# Altium PCB PCB1.PcbDoc (continued)
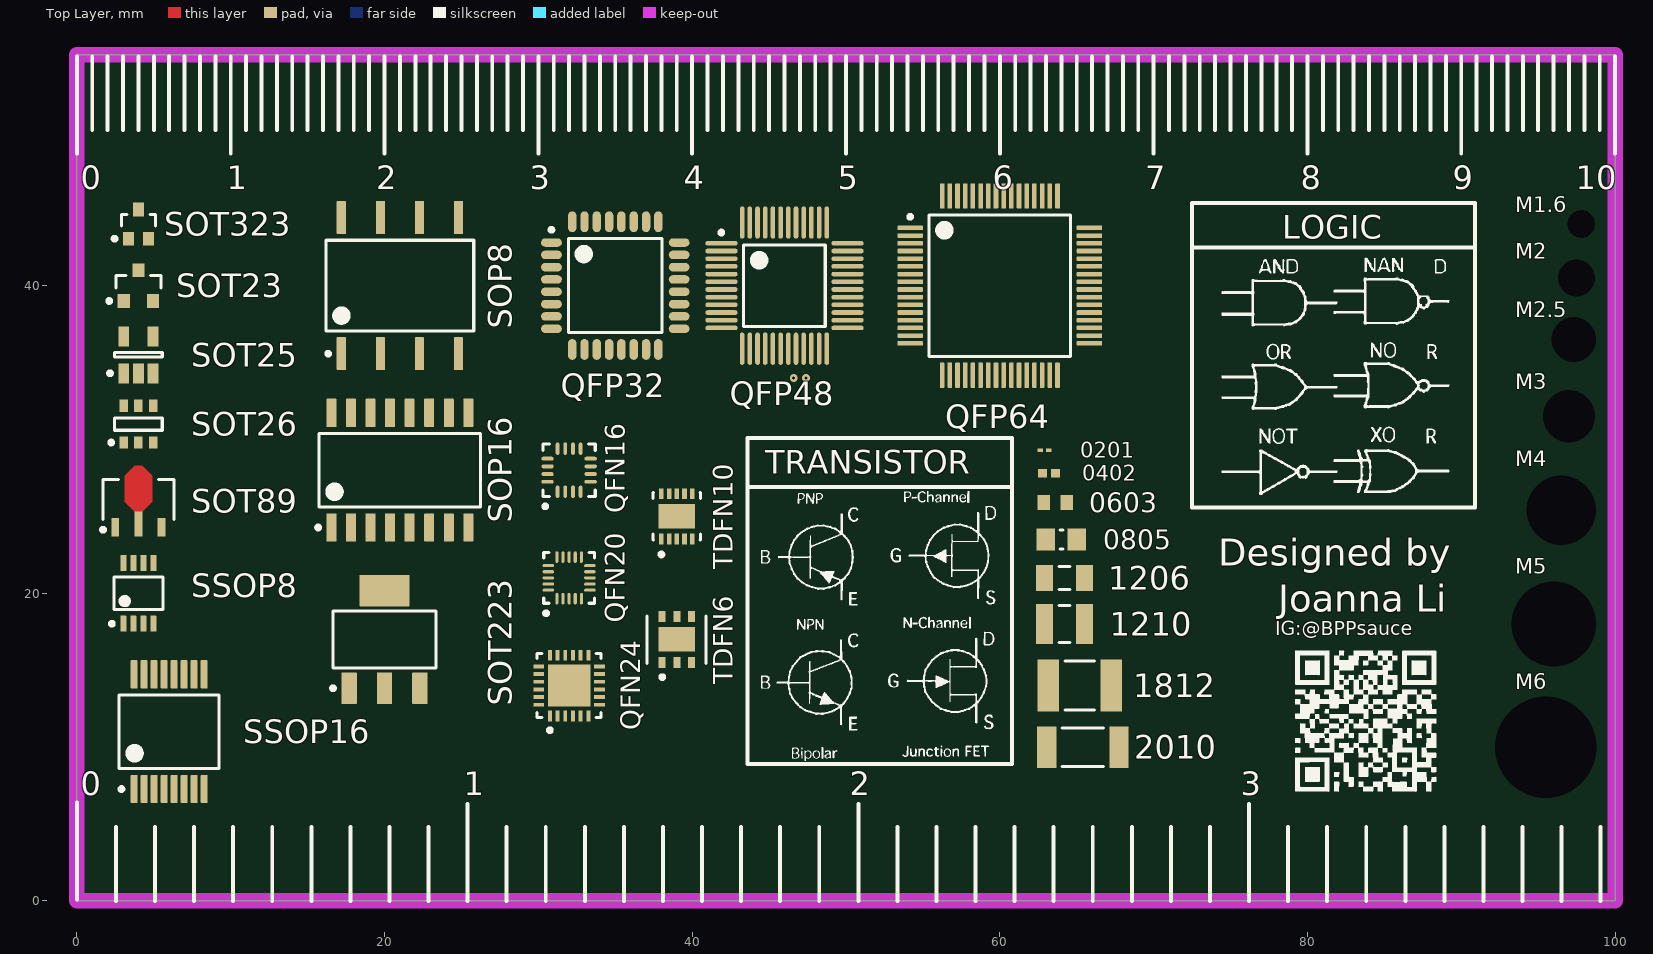
[diagram p0: Top Layer view]
## Part data (continued)
DDPAK3: library part CMP-0136-00060-1, "1.5A, Low Voltage, Low Quiescent Current LDO Regulator, 3-Pin DDPAK, Extended Temperature", DatasheetVersion="revC, Feb-2007", PackageDescription="3-Lead Plastic (EB) [DDPAK]", PackageReference=DDPAK-EB3, PackageVersion="revBB, Aug-2009"
DDPAK5: library part CMP-0136-00037-1, "1.5A, Low Voltage, Low Quiescent Current LDO Regulator, 5-Pin DDPAK, Extended Temperature", DatasheetVersion="revC, Feb-2007", PackageDescription="5-Lead Plastic (ET) [DDPAK]", PackageReference=DDPAK-ET5, PackageVersion="revBB, Aug-2009"
QFN16: library part CMP-0374-00015-2, "Four Button CapSense Controller, 4 CapSense IO, 1.71 to 5.50 V, 16-Pin QFN (LKX16)", Manufacturer=Cypress, Max. Operating Temp. (Â°C)=85, Max. Operating Voltage (V)=5.5, Min. Operating Temp. (Â°C)=-40, Min. Operating Voltage (V)=1.71, Rating=I, Code_JEDEC=MO-220, Comm. Interface=GPO, ComponentLink1Description="Manufacturer URL", ComponentLink1URL=http://www.cypress.com/, ComponentLink2Description=Datasheet, ComponentLink2URL=http://www.cypress.com/?docID=45011, ComponentLink3Description="Package Specification", ComponentLink3URL=http://www.cypress.com/?docID=39689, ComponentLink4Description="Product URL", ComponentLink4URL=http://www.cypress.com/?rID=45569, DatasheetVersion="Rev. *G", Mounting Technology="Surface Mount", No. of CapSense IO=4, No. of GPIOs=4, PackageDescription="16-Pin Chip on Lead Sawn QFN, Body 3 X 3 mm, Pitch 0.5 mm", PackageReference=LKX16, PackageVersion=*E, Packing=Tray, PartNumber=CY8CMBR2044-24LKXI, Proximity Sensing=N, PWMs=N, RoHS=Pb-Free, SmartSense Enabled=Y
QFN20: library part CMP-1750-00004-1, "Proximity Capacitive Touch Sensor Controller, 1.71 to 3.6 V, -40 to 85 degC, 20-Pin QFN, RoHS, Tape and Reel", Colour=Black, Current Rating="2 A", Max Operating Temperature=105degC, Min Operating Temperature=-65degC, Package Quantity=22, Voltage Rating="750 V", ComponentLink1Description="Manufacturer URL", ComponentLink1URL=http://www.nxp.com/, ComponentLink2Description=Datasheet, ComponentLink2URL=http://www.nxp.com/files/sensors/doc/data_sheet/MPR121.pdf, Contact Finish=Gold, Contact Material=Bronze, Contact Plating=Gold, DatasheetVersion="Rev. 4, 02/2013", Height="8.64 mm", Lead Pitch="2.54 mm", Length="25.4 mm", Mount="Through Hole", PackageDescription="20-Pin Quad Flat No-lead Package, Body 3 x 3 mm, Pitch 0.4 mm", PackageReference=QFN-20, Packaging=Rail/Tube, Pins=10, Radiation Hardening=No, RoHSCompliant=True, Width="3.56 mm"
QFN24: library part CMP-0511-00004-2, "IC SGL USB-TO-UART BRIDGE 24QFN", Case/Package=QFN, Max Operating Temperature=85°C, Max Supply Voltage=3.6V, Min Operating Temperature=-40°C, Min Supply Voltage=3V, Operating Supply Current=17mA, Operating Supply Voltage=3.3V, Contact Plating=Tin, Data Rate=2Mbps, Number of Channels=1, Number of Pins=24, Number of Transceivers=1, Packaging=Rail/Tube, Radiation Hardening=No, Weight=0.001764oz
QFP32: library part CMP-0230-00164-1, "Mixed Signal 32KB Flash ISP MCU, 2304B RAM, 25 I/Os, 12-Bit 25 Channel ADC, CAN 2.0, LIN 2.1, 32-Pin QFP, Industrial Grade", ComponentLink1Description="Manufacturer Link", ComponentLink1URL=http://www.silabs.com, ComponentLink2Description=Datasheet, ComponentLink2URL=http://www.silabs.com/Support%20Documents/TechnicalDocs/C8051F55x-F56x-F57x.pdf, DatasheetVersion="rev1.1, 2011", PackageDescription="32-Pin Thin Quad Flat Pack, 7 x 7 x 1.4 mm Body, 0.8 mm Pitch", PackageReference=LQFP-32, PackageVersion=2007
QFP48: library part CMP-0230-00134-1, "Mixed Signal 64KB ISP Flash MCU, 4352B RAM, 40 I/Os, 12-Bit 32 Channel ADC, Can 2.0B, LIN 2.0, Ext Mem, 48-Pin QFP, Industrial Grade", Code_JEDEC=MS-026-ABC, ComponentLink1Description="Manufacturer Link", ComponentLink1URL=http://www.silabs.com, ComponentLink2Description=Datasheet, ComponentLink2URL=http://www.silabs.com/Support%20Documents/TechnicalDocs/C8051F50x-51x.pdf, DatasheetVersion="rev1.2, Mar-2011", PackageDescription="48-Pin Thin Quad Flat Pack, 7 x 7 x 1 mm Body, 0.5 mm Pitch", PackageReference=QFP-48, PackageVersion=2011
QFP64: library part CMP-0365-00282-2, "8 MHz Mixed Signal Microcontroller with 60 KB Flash, 2048 B SRAM and 48 GPIOs, -40 to 85 degC, 64-pin QFP (PM), Green (RoHS & no Sb/Br)", Frequency(MHz)=8, Manufacturer="Texas Instruments", Temp Sensor=Yes, ADC="12-bit SAR", ADC Channels=8, Code_JEDEC=MS-026, Comparators=Yes, ComponentLink1Description="Manufacturer URL", ComponentLink1URL=http://www.ti.com/, ComponentLink2Description=Datasheet, ComponentLink2URL=http://www.ti.com/general/docs/lit/getliterature.tsp?genericPartNumber=MSP430F149&fileType=pdf, ComponentLink3Description="Package Specification", ComponentLink3URL=http://www.ti.com/lit/ml/mtqf008a/mtqf008a.pdf, DatasheetVersion=SLAS272F, Eco-Plan="Green (RoHS & no Sb/Br)", Flash(KB)=60, GPIO=48, Mounting Technology="Surface Mount", Multiplier=16x16, PackageDescription="64-Pin Plastic Quad Flat Pack, Body 10 x 10 mm, Pitch 0.5 mm", PackageReference=PM0064A, PackageVersion=4040152/C, PartNumber=MSP430F149IPM, SRAM(B)=2048, SubFamily="1 Series", Timers - 16-bit=2, USART=2, Watchdog=Yes
SOIC8: library part CMP-0186-00138-3, "High-Speed CAN Transceiver, /  1 Mb/s, 4.5 to 5.5 V, 8-Pin SOIC (SN), Industrial Temperature, RoHS, Tube", Manufacturer=Microchip, ComponentLink1Description="Manufacturer URL", ComponentLink1URL=http://www.microchip.com/, ComponentLink2Description=Datasheet, ComponentLink2URL=http://ww1.microchip.com/downloads/en/DeviceDoc/21667f.pdf, ComponentLink3Description="Package Specification", ComponentLink3URL=http://www.microchip.com/stellent/groups/techpub_sg/documents/packagingspec/en012702.pdf, DatasheetVersion="Rev. F, 07/2010", Mounting Technology="Surface Mount", PackageDescription="8-Pin Small Outline Integrated Circuit, Body 4.9 x 3.9 mm, Pitch 1.27 mm", PackageReference=SN8, RoHSCompliant=true
SOIC14: library part CMP-07114-000023-1, "IC GATE NAND SCHMITT 4CH 14SOIC", Case/Package=SOIC, High Level Output Current=-5.2mA, Low Level Output Current=5.2mA, Max Operating Temperature=125°C, Max Supply Voltage=6V, Min Operating Temperature=-55°C, Min Supply Voltage=2V, Package Quantity=2500, Quiescent Current=1uA, Contact Plating=Tin, Halogen Free="Halogen Free", Height=1.5mm, Lead Free="Lead Free", Length=8.75mm, Logic Function=NAND, Mount="Surface Mount", Number of Circuits=4, Number of Elements=4, Number of Gates=4, Number of Inputs=2, Number of Outputs=1, Number of Pins=14, Output Current=5.2mA, Packaging="Tape and Reel", Propagation Delay=190ns, Radiation Hardening=No, REACH SVHC="No SVHC", Schmitt Trigger Input=Yes, Turn-On Delay Time=125ns, Width=4mm
SOIC16: library part CMP-1575-00036-4, "High Speed CMOS 8-Channel Analog Multiplexer/Demultiplexer, D0016A, LARGE T&R", Generic Part Number=CD74HC4051, Manufacturer="Texas Instruments", Operating Temperature Range(C)="-55 to 125", Rating=Catalog, Bandwidth(Max)(MHz)=180, Code_JEDEC="MS-012 variation AC", Configuration="1 X 1：8 MUX", Crosstalk=Yes, DatasheetVersion=SCHS122J, Output Type=CMOS, PackageReference=D0016A, PackageVersion=http://www.ti.com/lit/ml/mpds178g/mpds178g.pdf, Ron(Max)(Ohms)=130, Ron(Typ)(Ohms)=45, VCC(Max)(V)=6, VCC(Min)(V)=2
SON6: library part CMP-0859-00927-3, "Single-Pole, Double-Throw Analog Switch, DSF0006A, LARGE T&R", F @ Nom Voltage(Max)(Mhz)=150, Generic Part Number=SN74LVC1G3157, ICC @ Nom Voltage(Max)(mA)=0.01, Manufacturer="Texas Instruments", Operating Temperature Range(C)="-40 to 85", Rating=Catalog, tpd @ Nom Voltage(Max)(ns)=2,1.2,0.8,0.3, Voltage(Nom)(V)=1.8,2.5,3.3,5, 3-State Output=No, Bits(#)=1, Channels(#)=1, DatasheetVersion=SCES424H, Input Type=CMOS/TTL, Logic=True, Mux Configuration=1：2, Output Drive (IOL/IOH)(Max)(mA)=32/-32, Output Type=CMOS, PackageReference=DSF0006A, Schmitt Trigger=No, Sub-Family="Analog Switch", Switch Configuration=SPDT, Technology Family=LVC, VCC(Max)(V)=5.5, VCC(Min)(V)=1.65
SON8: library part CMP-0321-00485-2, "Overvoltage / Overcurrent Protection IC and Li+ Charger Front End Protection IC with LDO Mode, 6.3 OVP, -40 to 125 degC, 8-pin WSON (DSG), Green (RoHS & no Sb/Br)", Manufacturer="Texas Instruments", Over Voltage Protection=N, Code_JEDEC=MO-229, ComponentLink1Description=Datasheet, ComponentLink1URL=http://www.ti.com/general/docs/lit/getliterature.tsp?genericPartNumber=BQ24380&fileType=pdf, DatasheetVersion=SLUS805B, Eco-Plan="Green (RoHS & no Sb/Br)", Lead Acid=N, Li-Ion=N, Li-Polymer=N, Mounting Technology="Surface Mount", NiCd=N, NiMH=N, PackageDescription="8-Pin Plastic Small Outline No-Lead, 2 x 2 x 0.8 mm Body, 0.5 mm Pitch, Exposed Pad", PackageReference=DSG0008A, PackageVersion="revB, Oct-2010", PartNumber=BQ24380DSGT, SubFamily="Charger Front End Protection"
SON10: library part CMP-0326-00026-3, "ESD Solution for High-Speed Differential Interface, 4 Channels, -40 to +85 degC,10-pin SON (DQA), Green (RoHS & no Sb/Br)", Breakdown Voltage(Min)(V)=9, Differential Capacitance(pF)=0.05, IO Capacitance(Typ)(pF)=0.8, IO Leakage Current(nA)=10, Manufacturer="Texas Instruments", 1394 / Firewire=TRUE, ComponentLink1Description="Manufacturer URL", ComponentLink1URL=http://www.ti.com/, ComponentLink2Description=Datasheet, ComponentLink2URL=http://www.ti.com/general/docs/lit/getliterature.tsp?genericPartNumber=TPD4S010&fileType=pdf, ComponentLink3Description="URL Link1", ComponentLink3URL=SamplesURL:http://www.ti.com/product/tpd4s010#samples, DatasheetVersion=SLVS817E, Eco-Plan="Green (RoHS & no Sb/Br)", IEC 61000-4-2 Air-Gap(+/- kV)=9, IEC 61000-4-2 Contact(+/- kV)=8, Mounting Technology="Surface Mount", PackageDescription="10-Pin Plastic Small Outline No-Lead, 1 x 2.5 x 0.55 mm Body, 0.5 mm Pitch", PackageReference=DQA0010A, PackageVersion="revB, Sep-2009", PartNumber=TPD4S010DQAR, Serial ATA / eSATA=TRUE, SubFamily="ESD Solution"
SOP8: library part CMP-0315-00093-2, "Isolated CAN Transceiver, -55 to 105 degC, 8-pin SOP (DUB), Green (RoHS & no Sb/Br)", Drivers Per Package=1, Manufacturer="Texas Instruments", Rating=Catalog, ComponentLink1Description=Datasheet, ComponentLink1URL=http://www.ti.com/general/docs/lit/getliterature.tsp?genericPartNumber=ISO1050&fileType=pdf, ComponentLink2Description="Package Specification", ComponentLink2URL=http://www.ti.com/litv/pdf/mpds247b, DatasheetVersion=SLLS983E, Eco-Plan="Green (RoHS & no Sb/Br)", Isolated=Yes, Mounting Technology="Surface Mount", PackageDescription="8-Pin Small Outline Package 2.54 mm Pitch", PackageReference=DUB0008A, PackageVersion="revC, May-2006", PartNumber=ISO1050DUBR, SubFamily=CAN
SOP16: library part CMP-1633-00758-2, "BCD-To-Decimal Decoders/Drivers, NS0016A, LARGE T&R", F @ Nom Voltage(Max)(Mhz)=35, Generic Part Number=SN74LS145, ICC @ Nom Voltage(Max)(mA)=13, Manufacturer="Texas Instruments", Operating Temperature Range(C)="0 to 70", Rating=Catalog, tpd @ Nom Voltage(Max)(ns)=50, Voltage(Nom)(V)=5, Bits(#)=10, Channels(#)=1, Configuration=4：10, DatasheetVersion=SDLS051, Function=Decoder/Demultiplexer, Input Type=TTL, Output Drive (IOL/IOH)(Max)(mA)=80/-20, Output Type=TTL, PackageReference=NS0016A, Schmitt Trigger=No, Technology Family=LS, Type=Standard, VCC(Max)(V)=5.25, VCC(Min)(V)=4.75
SOT23: library part CMP-1061-00654-1, "40 W Peak Power Zener Transient Voltage Suppressor, Dual Common Anode Zeners for ESD Protection, 3-Pin SOT-23, Pb-Free, Tape and Reel", Manufacturer="On Semiconductor", ComponentLink1Description="Manufacturer URL", ComponentLink1URL=http://www.onsemi.com/, ComponentLink2Description=Datasheet, ComponentLink2URL=http://www.onsemi.com/pub_link/Collateral/MMBZ5V6ALT1-D.PDF, ComponentLink3Description="Package Specification", ComponentLink3URL=http://www.onsemi.cn/pub_link/Collateral/318-08.PDF, DatasheetVersion="Rev. 13", Direction=Unidirectional, IR Max (uA)=0.5, Mounting Technology="Surface Mount", PackageDescription="3-Pin Small Outline Transistor, Body 2.92 x 1.3 mm, Pitch 0.95 mm", PackageReference=SOT-23-3-318-08, PackageVersion="Rev. AP, 11/2009", Packing="Tape and Reel", PartNumber=MMBZ6V8ALT1G, PPK Max (W)=24, RoHS=Pb-Free, V(BR) Typ (V)=6.8
SOT25: library part CMP-0599-00001-2, "1A LDO Voltage Regulator with CL discharge, 3.3 V, 1000 mA, -45 to 85 degC, 5-Pin SOT-25, RoHS, Reel", Manufacturer=Torex, Maximum Output Current="1000 mA", Operating Ambient Temperature="-40 to 85 degC", Output Voltage="3.3 V", ComponentLink1Description="Manufacturer URL", ComponentLink1URL=http://www.torex.co.jp/, ComponentLink2Description=Datasheet, ComponentLink2URL=http://www.torex.co.jp/english/products/voltage_regulators/data/XC6220.pdf, DatasheetVersion=ETR0341-010a, Mounting Technology="Surface Mount", PackageDescription="5-Pin Small Out-Line Transistor, Body 2.9 x 1.65 mm, Pitch 0.95 mm", PackageReference=SOT-25-5, Packing=Reel, PartNumber=XC6220B331MR-G, RoHS=TRUE
SOT26: library part CMP-2000-05770-1, "Adjustable Current Sink Linear LED Driver, 30 V, -40 to 125 degC, 6-Pin SOT23 (SOT26), RoHS, Tape and Reel", Input Voltage=4.5Vto30V, Manufacturer=DiodesIncorporated, Maximum Operating Temperature=+125C, Minimum Operating Temperature=-40C, Package / Case=SOT-26, Package Description="6-Pin Small Outline Transistor, Body 1.6 x 3 mm, Pitch 0.95 mm", Package Reference=SOT26-6, Pd - Power Dissipation=1W, Brand=DiodesIncorporated, Datasheet URL=https://datasheet.ciiva.com/15224/getdatasheetpartid-661227-15224070.pdf, Datasheet Version="Rev. 6-2, 12/2012", Factory Pack Quantity=3000, Manufacturer URL=http://www.diodes.com/, Mounting Style=SMD/SMT, Mounting Technology=SurfaceMount, Packaging=Reel, Product Category=LEDLightingDrivers, RoHS=True, Series=AL580, Unit Weight=0.001058oz
SOT89: library part CMP-2000-07270-1, "N-Channel Enhancement-Mode Vertical DMOS FET, 2 V, 1 A, 12 Ohm, -55 to 150 degC, 3-Pin SOT-89, RoHS, Tape and Reel", Id - Continuous Drain Current=260mA, Manufacturer=Microchip, Maximum Operating Temperature=+150C, Minimum Operating Temperature=-55C, Package / Case=SOT-89-3, Package Description="3-Piin Small Outline Transistor, Body 4.5 x 2.445 mm, Pitch 1.5 mm", Package Reference=TO-243AA, Pd - Power Dissipation=1.6W, Rds On - Drain-Source Resistance=12Ohms, Vds - Drain-Source Breakdown Voltage=400V, Vgs - Gate-Source Voltage=20V, Brand=MicrochipTechnology, Channel Mode=Enhancement, Configuration=Single, Datasheet URL=http://ww1.microchip.com/downloads/en/DeviceDoc/TN2540%20A062113.pdf, Datasheet Version=08/2013, Factory Pack Quantity=2000, Fall Time=15ns, Height=1.6mm, Length=4.6mm, Manufacturer URL=http://www.microchip.com/, Mounting Style=SMD/SMT, Mounting Technology=SurfaceMount, Number of Channels=1Channel, Packaging=Reel, Product=MOSFETSmallSignal, Product Category=MOSFET, Rise Time=15ns, RoHS=True, Technology=Si, Transistor Polarity=N-Channel, Transistor Type=1N-Channel, Type=FET, Typical Turn-Off Delay Time=25ns, Typical Turn-On Delay Time=20ns, Unit Weight=0.001862oz, Width=2.6mm
SOT223: library part CMP-0062-01627-4, "800mA Low-Dropout Linear Regulator, 4-pin SOT-223, Pb-Free", Manufacturer="Texas Instruments", PackageTopMarking=XYTT*N06B, PowerWise=N, Code_IPC=SOT223-4, Code_JEDEC=TO-261-AA, ComponentLink1Description="Datasheet URL", ComponentLink1URL=http://www.ti.com/general/docs/lit/getliterature.tsp?genericPartNumber=LM1117-N&fileType=pdf, CompType="LDO IC", High-Reliability=Y, PackageDescription="Molded SOT-223, 6.50 x 3.56 x 1.6mm Body, 4 Lead, 2.3mm Pitch", PackageReference=DCY0004A, PartNumber=LM1117IMP-5.0/NOPB, PinCount=4, RoHS=Y
SOT323: library part CMP-1055-00559-1, "Dual Series Schottky Barrier Diodes, 3-Pin SOT-323, Pb-Free, Tape and Reel", Manufacturer="On Semiconductor", ComponentLink1Description="Manufacturer URL", ComponentLink1URL=http://www.onsemi.com/, ComponentLink2Description=Datasheet, ComponentLink2URL=http://www.onsemi.cn/pub_link/Collateral/BAT54SWT1-D.PDF, ComponentLink3Description="Package Specification", ComponentLink3URL=http://www.onsemi.com/pub_link/Collateral/419-04.PDF, Configuration=Dual, DatasheetVersion="Rev. 10", IFSM Max (A)=0.6, Mounting Technology="Surface Mount", PackageDescription="3-Pin Small Outline Transistor, Body 2 x 1.25 mm, Pitch 0.65 mm", PackageReference=SOT-323-3-419-04, PackageVersion="Rev. N, 11/2008", Packing="Tape and Reel", PartNumber=BAT54SWT1G, RoHS=TRUE, trr Max (ns)=5
SSOP8: library part CMP-0859-00566-3, "Single Retriggerable Monostable Multivibrator with Schmitt-Trigger Inputs, DCT0008A, LARGE T&R", F @ Nom Voltage(Max)(Mhz)=150, Generic Part Number=SN74LVC1G123, ICC @ Nom Voltage(Max)(mA)=0.02, Manufacturer="Texas Instruments", Operating Temperature Range(C)="-40 to 125,-40 to 85", Rating=Catalog, tpd @ Nom Voltage(Max)(ns)=34,11,8,5.5, Voltage(Nom)(V)=1.8,2.5,3.3,5, 3-State Output=No, Bits(#)=1, DatasheetVersion=SCES586C, Input Type=CMOS/TTL, Logic=True, Output Drive (IOL/IOH)(Max)(mA)=32/-32, Output Type=CMOS, PackageReference=DCT0008A, Schmitt Trigger=Yes, Specialty Logic Family="Monostable Multivibrator", Sub-Family="Monostable Multivibrator", Technology Family=LVC, VCC(Max)(V)=5.5, VCC(Min)(V)=1.65
SSOP16: library part CMP-0299-01189-2, "3-V to 5.5-V Multichannel RS-232 Line Driver / Receiver with ±15-kV ESD Protection, -40 to 85 degC, 16-Pin SSOP (DB), Green (RoHS & no Sb/Br)", Drivers Per Package=2, Supply Voltage(s)(V)="3.3 or 5.0", ComponentLink1Description="Manufacturer URL", ComponentLink1URL=www.ti.com, ComponentLink2Description=Datasheet, ComponentLink2URL=http://www.ti.com/general/docs/lit/getliterature.tsp?genericPartNumber=MAX3232&fileType=pdf, ComponentLink3Description="Package Specification", ComponentLink3URL=http://www.ti.com/litv/pdf/msso002e, DatasheetVersion=SLLS410I, ESD HBM(kV)=+/-15, ICC(Max)(mA)=1, PackageDescription="16-Pin Plastic Small Outline Package, 6.2 x 5.3 mm Body, 0.65 mm Pitch", PackageReference=DB0016A, PackageVersion="revE, Dec-2001", Receivers Per Package=2, RS-232=TRUE, Single Supply=TRUE, SubFamily=RS-232
TDFN6: library part CMP-05687-000001-1, "IC CURR LOOP PROT 4-20MA 6TDFN", Manufacturer="Maxim Integrated", Max Junction Temp=+150°C, Max Supply Voltage=40V, Min Supply Voltage=2.3V, Nominal Supply Current=40uA, Package=T633-2C, Temperature="-40°C to +85°C", Temperature Range High=+85°C, Temperature Range Low=-40°C, Automotive=No, Category=IC, ComponentLink2Description=Datasheet, ComponentLink2URL=https://datasheets.maximintegrated.com/en/ds/MAX14626.pdf, Device Class L1="Integrated Circuits (ICs)", Device Class L2="Interface ICs", Device Class L3="Sensor and Detector Interfaces", Digikey Description="IC CURR LOOP PROT 4-20MA 6TDFN", Footprint Url=https://pdfserv.maximintegrated.com/land_patterns/90-0058.PDF, Height=0.8mm, Interface=2-Wire,Other, Ipc Land Pattern Name=DFN300X300X75-6, Lead Free=Yes, Manufacturer Part Number=MAX14626ETT+T, Mouser Description="IC CURR LOOP PROT 4-20MA 6TDFN", Octopart=https://octopart.com/max14626ett%2Bt-maxim+integrated-22619755, RoHS=TRUE, Sensor Input="Analog Current", Sensor Output="Analog Voltage", Standoff Height=0mm
TDFN10: library part CMP-05715-000076-1, "IC FUEL GAUGE OCV 10-TDFN", Manufacturer="Maxim Integrated", Max Supply Voltage=15.5V, Min Supply Voltage=2.5V, Nominal Supply Current=50uA, Package=T1033-2, Temperature="-20°C to +70°C", Temperature Range High=+70°C, Temperature Range Low=-20°C, Automotive=No, Category=IC, ComponentLink2Description=Datasheet, ComponentLink2URL=https://datasheets.maximintegrated.com/en/ds/DS2786.pdf, Device Class L1="Integrated Circuits (ICs)", Device Class L2="Power Management ICs", Device Class L3="Battery Management", Digikey Description="IC FUEL GAUGE OCV 10-TDFN", Footprint Url=https://pdfserv.maximintegrated.com/package_dwgs/21-0137.PDF, Height=0.8mm, Lead Free=Yes, Manufacturer Part Number=DS2786G+, Mouser Description="Battery Management Stand-Alone OCV Based Fuel Gauge", Number Of Cells=3, Octopart=https://octopart.com/ds2786g%2B-maxim+integrated-42201102, RoHS=TRUE, Standoff Height=0mm
TO252: library part CMP-1164-00353-1, "N-Channel CoolMOS C6 Power-Transistor, 600 V VDS, 8.1 A ID, -55 to 150 degC, PG-TO252-3-313, Reel, Green", Manufacturer=Infineon, ComponentLink1Description="Manufacturer URL", ComponentLink1URL=http://www.infineon.com/, ComponentLink2Description=Datasheet, ComponentLink2URL=http://www.infineon.com/dgdl/IPD60R520C6_2.0.pdf?folderId=db3a3043163797a6011638933eda014b&fileId=db3a304323b87bc20123e676d18358fb, ComponentLink3Description="Package Specification", ComponentLink3URL=http://www.infineon.com/dgdl/PG-TO252-3-313-Package_Overview.pdf?folderId=db3a30432b57a660012b81890ade72d2&fileId=db3a30432b57a660012b8193af2872eb, DatasheetVersion="Rev. 2.0", Green=TRUE, ID (max)="8.1Â A", IDpuls (max)="22Â A", Mounting Technology="Surface Mount", PackageDescription="3-Pin Plastic (Green) Transistor Single Outline Package, 6.5 x 6.12 mm Body, 2.28 mm Pitch", PackageReference=PG-TO252-3-313, PackageVersion=Oct-10, Packing=Reel, PartNumber=IPD60R520C6, Polarity=N, Ptot (max)="66Â W", QG="23.4Â nC", RDS (on) (max)="520Â mOhm", Rth="1.9Â K/W", RthJA (max)="62Â K/W", RthJC (max)="1.9Â K/W", Technology="CoolMOS C6", VDS (max)="600Â V", VGS(th) (max)="3.5Â V", VGS(th) (min)="2.5Â V"
TO263: library part CMP-1137-00039-1, "Smart Low-Side Power Switch HITFET, 60 V VDS, 12 A ID, -40 to 150 degC, PG-TO263-3-2, Reel, Green", Manufacturer=Infineon, Channels=1, ComponentLink1Description="Manufacturer URL", ComponentLink1URL=http://www.infineon.com/, ComponentLink2Description=Datasheet, ComponentLink2URL=http://www.infineon.com/dgdl/BTS141TC_DS_10.pdf?folderId=db3a3043163797a6011667aa084c0e01&fileId=db3a3043242ebc9e01242f43f58b003e&location=en.Products.Automotive_ICs.Smart_High-_and_Low-Side_Switches.HITFET___TEMPFET__-_Smart_Low-Side_Switches.DATASHEET.BT, ComponentLink3Description="Package Specification", ComponentLink3URL=http://www.infineon.com/dgdl/BTS141TC_DS_10.pdf?folderId=db3a3043163797a6011667aa084c0e01&fileId=db3a3043242ebc9e01242f43f58b003e&location=en.Products.Automotive_ICs.Smart_High-_and_Low-Side_Switches.HITFET___TEMPFET__-_Smart_Low-Side_Switches.DATASHEET.BT, DatasheetVersion="Rev. 1.0", Green=TRUE, Group=HITFET, Halogen-free=FALSE, ID="12 A", ID(lim) (min)="25 A", ID(nom)="5.1 A", ISC (max)="100 A", Mounting Technology="Surface Mount", PackageDescription="3-Pin Plastic (Green) Transistor Single Outline Package, 10 x 9.25 mm Body, 2.54 mm Pitch", PackageReference=PG-TO263-3-2, PackageVersion=Jul-09, Packing=Reel, PartNumber=BTS141TC, Ptot (max)="149 mW", RDS (on)(max)="30 mOhm", toff (max)="170 us", ton (max)="100 us", VDS (max)="60 V"

## Free pads (board coordinates)
  round 1.524 hole 1.8: 5(97.8,44)
  round 1.524 hole 2.4: 6(97.5,40.5)
  round 1.524 hole 2.9: 7(97.3,36.5)
  round 1.524 hole 3.4: 8(97,31.5)
  round 1.524 hole 4.5: 9(96.5,25.4)
  round 1.524 hole 5.5: 10(96,18)
  round 1.524 hole 6.6: 11(95.5,10)

## Via types
v1: diameter 0.5, hole 0.2, Top Layer to Bottom Layer, 2 vias

## Nets (pads, with @x,y where several pads share a name; then routed paths per layer and width w, separated by ;. In a path a pad name is that pad's centre, name@x,y a point inside that pad or via, vN(x,y) a via of type N, cw(c..) or ccw(c..) an arc to the next point about the centre after c; other vN are vias at no path point)
pads on no net: 0201.1 0201.2 0402.1 0402.2 0603.1 0603.2 0805.1 0805.2 1206.1 1206.2 1210.1 1210.2 1812.1 1812.2 2010.1 2010.2 BGA48.A1 BGA48.A2 BGA48.A4 BGA48.A5 BGA48.A6 BGA48.A8 BGA48.A9 BGA48.B1 BGA48.B2 BGA48.B3 BGA48.B4 BGA48.B5 BGA48.B6 BGA48.B7 BGA48.B8 BGA48.B9 BGA48.C2 BGA48.C8 BGA48.D1 BGA48.D2 BGA48.D8 BGA48.D9 BGA48.E1 BGA48.E2 BGA48.E8 BGA48.E9 BGA48.F1 BGA48.F2 BGA48.F8 BGA48.F9 BGA48.G2 BGA48.G8 BGA48.H1 BGA48.H2 BGA48.H3 BGA48.H4 BGA48.H5 BGA48.H6 BGA48.H7 BGA48.H8 BGA48.H9 BGA48.J1 BGA48.J2 BGA48.J4 BGA48.J5 BGA48.J6 BGA48.J8 BGA48.J9 BGA64.A1 BGA64.A2 BGA64.A3 BGA64.A4 BGA64.A5 BGA64.A6 BGA64.A7 BGA64.A8 BGA64.B1 BGA64.B2 BGA64.B3 BGA64.B4 BGA64.B5 BGA64.B6 BGA64.B7 BGA64.B8 BGA64.C1 BGA64.C2 BGA64.C3 BGA64.C4 BGA64.C5 BGA64.C6 BGA64.C7 BGA64.C8 BGA64.D1 BGA64.D2 BGA64.D3 BGA64.D4 BGA64.D5 BGA64.D6 BGA64.D7 BGA64.D8 BGA64.E1 BGA64.E2 BGA64.E3 BGA64.E4 BGA64.E5 BGA64.E6 BGA64.E7 BGA64.E8 BGA64.F1 BGA64.F2 BGA64.F3 BGA64.F4 BGA64.F5 BGA64.F6 BGA64.F7 BGA64.F8 BGA64.G1 BGA64.G2 BGA64.G3 BGA64.G4 BGA64.G5 BGA64.G6 BGA64.G7 BGA64.G8 BGA64.H1 BGA64.H2 BGA64.H3 BGA64.H4 BGA64.H5 BGA64.H6 BGA64.H7 BGA64.H8 BGA100.A1 BGA100.A2 BGA100.A3 BGA100.A4 BGA100.A5 BGA100.A6 BGA100.A7 BGA100.A8 BGA100.A9 BGA100.A10 BGA100.B1 BGA100.B2 BGA100.B3 BGA100.B4 BGA100.B5 BGA100.B6 BGA100.B7 BGA100.B8 BGA100.B9 BGA100.B10 BGA100.C1 BGA100.C2 BGA100.C3 BGA100.C4 BGA100.C5 BGA100.C6 BGA100.C7 BGA100.C8 BGA100.C9 BGA100.C10 BGA100.D1 BGA100.D2 BGA100.D3 BGA100.D4 BGA100.D5 BGA100.D6 BGA100.D7 BGA100.D8 BGA100.D9 BGA100.D10 BGA100.E1 BGA100.E2 BGA100.E3 BGA100.E4 BGA100.E5 BGA100.E6 BGA100.E7 BGA100.E8 BGA100.E9 BGA100.E10 BGA100.F1 BGA100.F2 BGA100.F3 BGA100.F4 BGA100.F5 BGA100.F6 BGA100.F7 BGA100.F8 BGA100.F9 BGA100.F10 BGA100.G1 BGA100.G2 BGA100.G3 BGA100.G4 BGA100.G5 BGA100.G6 BGA100.G7 BGA100.G8 BGA100.G9 BGA100.G10 BGA100.H1 BGA100.H2 BGA100.H3 BGA100.H4 BGA100.H5 BGA100.H6 BGA100.H7 BGA100.H8 BGA100.H9 BGA100.H10 BGA100.J1 BGA100.J2 BGA100.J3 BGA100.J4 BGA100.J5 BGA100.J6 BGA100.J7 BGA100.J8 BGA100.J9 BGA100.J10 BGA100.K1 BGA100.K2 BGA100.K3 BGA100.K4 BGA100.K5 BGA100.K6 BGA100.K7 BGA100.K8 BGA100.K9 BGA100.K10 DDPAK3.1 DDPAK3.2 DDPAK3.3 DDPAK3.4 DDPAK5.1 DDPAK5.2 DDPAK5.3 DDPAK5.4 DDPAK5.5 DDPAK5.6 QFN16.1 QFN16.2 QFN16.3 QFN16.4 QFN16.5 QFN16.6 QFN16.7 QFN16.8 QFN16.9 QFN16.10 QFN16.11 QFN16.12 QFN16.13 QFN16.14 QFN16.15 QFN16.16 QFN20.1 QFN20.2 QFN20.3 QFN20.4 QFN20.5 QFN20.6 QFN20.7 QFN20.8 QFN20.9 QFN20.10 QFN20.11 QFN20.12 QFN20.13 QFN20.14 QFN20.15 QFN20.16 QFN20.17 QFN20.18 QFN20.19 QFN20.20 QFN24.1 QFN24.2 QFN24.3 QFN24.4 QFN24.5 QFN24.6 QFN24.7 QFN24.8 QFN24.9 QFN24.10 QFN24.11 QFN24.12 QFN24.13 QFN24.14 QFN24.15 QFN24.16 QFN24.17 QFN24.18 QFN24.19 QFN24.20 QFN24.21 QFN24.22 QFN24.23 QFN24.24 QFN24.25 QFP32.1 QFP32.2 QFP32.3 QFP32.4 QFP32.5 QFP32.6 QFP32.7 QFP32.8 QFP32.9 QFP32.10 QFP32.11 QFP32.12 QFP32.13 QFP32.14 QFP32.15 QFP32.16 QFP32.17 QFP32.18 QFP32.19 QFP32.20 QFP32.21 QFP32.22 QFP32.23 QFP32.24 QFP32.25 QFP32.26 QFP32.27 QFP32.28 QFP32.29 QFP32.30 QFP32.31 QFP32.32 QFP48.1 QFP48.2 QFP48.3 QFP48.4 QFP48.5 QFP48.6 QFP48.7 QFP48.8 QFP48.9 QFP48.10 QFP48.11 QFP48.12 QFP48.13 QFP48.14 QFP48.15 QFP48.16 QFP48.17 QFP48.18 QFP48.19 QFP48.20 QFP48.21 QFP48.22 QFP48.23 QFP48.24 QFP48.25 QFP48.26 QFP48.27 QFP48.28 QFP48.29 QFP48.30 QFP48.31 QFP48.32 QFP48.33 QFP48.34 QFP48.35 QFP48.36 QFP48.37 QFP48.38 QFP48.39 QFP48.40 QFP48.41 QFP48.42 QFP48.43 QFP48.44 QFP48.45 QFP48.46 QFP48.47 QFP48.48 QFP64.1 QFP64.2 QFP64.3 QFP64.4 QFP64.5 QFP64.6 QFP64.7 QFP64.8 QFP64.9 QFP64.10 QFP64.11 QFP64.12 QFP64.13 QFP64.14 QFP64.15 QFP64.16 QFP64.17 QFP64.18 QFP64.19 QFP64.20 QFP64.21 QFP64.22 QFP64.23 QFP64.24 QFP64.25 QFP64.26 QFP64.27 QFP64.28 QFP64.29 QFP64.30 QFP64.31 QFP64.32 QFP64.33 QFP64.34 QFP64.35 QFP64.36 QFP64.37 QFP64.38 QFP64.39 QFP64.40 QFP64.41 QFP64.42 QFP64.43 QFP64.44 QFP64.45 QFP64.46 QFP64.47 QFP64.48 QFP64.49 QFP64.50 QFP64.51 QFP64.52 QFP64.53 QFP64.54 QFP64.55 QFP64.56 QFP64.57 QFP64.58 QFP64.59 QFP64.60 QFP64.61 QFP64.62 QFP64.63 QFP64.64 SOIC8.1 SOIC8.2 SOIC8.3 SOIC8.4 SOIC8.5 SOIC8.6 SOIC8.7 SOIC8.8 SOIC14.1 SOIC14.2 SOIC14.3 SOIC14.4 SOIC14.5 SOIC14.6 SOIC14.7 SOIC14.8 SOIC14.9 SOIC14.10 SOIC14.11 SOIC14.12 SOIC14.13 SOIC14.14 SOIC16.1 SOIC16.2 SOIC16.3 SOIC16.4 SOIC16.5 SOIC16.6 SOIC16.7 SOIC16.8 SOIC16.9 SOIC16.10 SOIC16.11 SOIC16.12 SOIC16.13 SOIC16.14 SOIC16.15 SOIC16.16 SON6.1 SON6.2 SON6.3 SON6.4 SON6.5 SON6.6 SON8.1 SON8.2 SON8.3 SON8.4 SON8.5 SON8.6 SON8.7 SON8.8 SON8.9 SON10.1 SON10.2 SON10.3 SON10.4 SON10.5 SON10.6 SON10.7 SON10.8 SON10.9 SON10.10 SOP8.1 SOP8.2 SOP8.3 SOP8.4 SOP8.5 SOP8.6 SOP8.7 SOP8.8 SOP16.1 SOP16.2 SOP16.3 SOP16.4 SOP16.5 SOP16.6 SOP16.7 SOP16.8 SOP16.9 SOP16.10 SOP16.11 SOP16.12 SOP16.13 SOP16.14 SOP16.15 SOP16.16 SOT23.1 SOT23.2 SOT23.3 SOT25.1 SOT25.2 SOT25.3 SOT25.4 SOT25.5 SOT26.1 SOT26.2 SOT26.3 SOT26.4 SOT26.5 SOT26.6 SOT89.1 SOT89.2 SOT89.3 SOT223.1 SOT223.2 SOT223.3 SOT223.4 SOT323.1 SOT323.2 SOT323.3 SSOP8.1 SSOP8.2 SSOP8.3 SSOP8.4 SSOP8.5 SSOP8.6 SSOP8.7 SSOP8.8 SSOP16.1 SSOP16.2 SSOP16.3 SSOP16.4 SSOP16.5 SSOP16.6 SSOP16.7 SSOP16.8 SSOP16.9 SSOP16.10 SSOP16.11 SSOP16.12 SSOP16.13 SSOP16.14 SSOP16.15 SSOP16.16 TDFN6.1 TDFN6.2 TDFN6.3 TDFN6.4 TDFN6.5 TDFN6.6 TDFN6.7 TDFN10.1 TDFN10.2 TDFN10.3 TDFN10.4 TDFN10.5 TDFN10.6 TDFN10.7 TDFN10.8 TDFN10.9 TDFN10.10 TDFN10.11 TO252.1 TO252.2 TO252.3 TO263.1 TO263.2 TO263.3
copper on no net:
  other v1: 46.6,34 47.4,34

## Polygon pours and split planes (outlines as drawn)
no net on Top Layer "GND_TOP" (solid, remove dead copper, pour order 0): 0,55 100,55 100,0 0,0

## Keep-outs
Keep-Out Layer:
  the board outline again, w1

## Silkscreen, mask and mechanical layers (free items; w line width, h text height)
Top Overlay:
  drawing of 268 lines, arcs and shapes, not listed
  text "0" at 0.254,46.254 h1.52
  text "1" at 9.754,46.254 h1.52
  text "2" at 19.454,46.254 h1.52
  text "3" at 29.454,46.254 h1.52
  text "4" at 39.454,46.254 h1.52
  text "5" at 49.454,46.254 h1.52
  text "6" at 59.554,46.254 h1.52
  text "7" at 69.454,46.254 h1.52
  text "8" at 79.554,46.254 h1.52
  text "9" at 89.454,46.254 h1.52
  text "10" at 97.454,46.254 h1.52
  text "M1.6" at 93.504,44.754 h1
  text "LOGIC" at 78.358,43.038 h1.52
  text "M2" at 93.504,41.754 h1
  text "M2.5" at 93.504,37.954 h1
  text "M3" at 93.504,33.254 h1
  text "M4" at 93.504,28.254 h1
  text "TRANSISTOR" at 44.754,27.754 h1.52
  text "M5" at 93.504,21.254 h1
  text "Designed by  /      Joanna Li" at 74.2,18.2 h3
  text "IG:@BPPsauce" at 77.901,16.966 h1.52
  text "M6" at 93.504,13.754 h1
  text "0" at 0.254,6.858 h1.52
  text "1" at 25.154,6.858 h1.52
  text "2" at 50.254,6.858 h1.52
  text "3" at 75.654,6.858 h1.52
Bottom Overlay:
  drawing of 1162 lines, arcs and shapes, not listed
  text "10" at 2.546,46.254 h1.52
  text "9" at 10.546,46.254 h1.52
  text "8" at 20.446,46.254 h1.52
  text "7" at 30.546,46.254 h1.52
  text "6" at 40.446,46.254 h1.52
  text "5" at 50.546,46.254 h1.52
  text "4" at 60.546,46.254 h1.52
  text "3" at 70.546,46.254 h1.52
  text "2" at 80.546,46.254 h1.52
  text "1" at 90.246,46.254 h1.52
  text "0" at 99.746,46.254 h1.52
  text "3" at 24.346,6.858 h1.52
  text "2" at 49.746,6.858 h1.52
  text "1" at 74.846,6.858 h1.52
  text "0" at 99.746,6.858 h1.52